# KiCad board gmsl-deserializer.kicad_pcb
title: GMSL Deserializer; date: 2025-10-09; rev: 1.0.4; company: Antmicro Ltd; note: www.antmicro.com
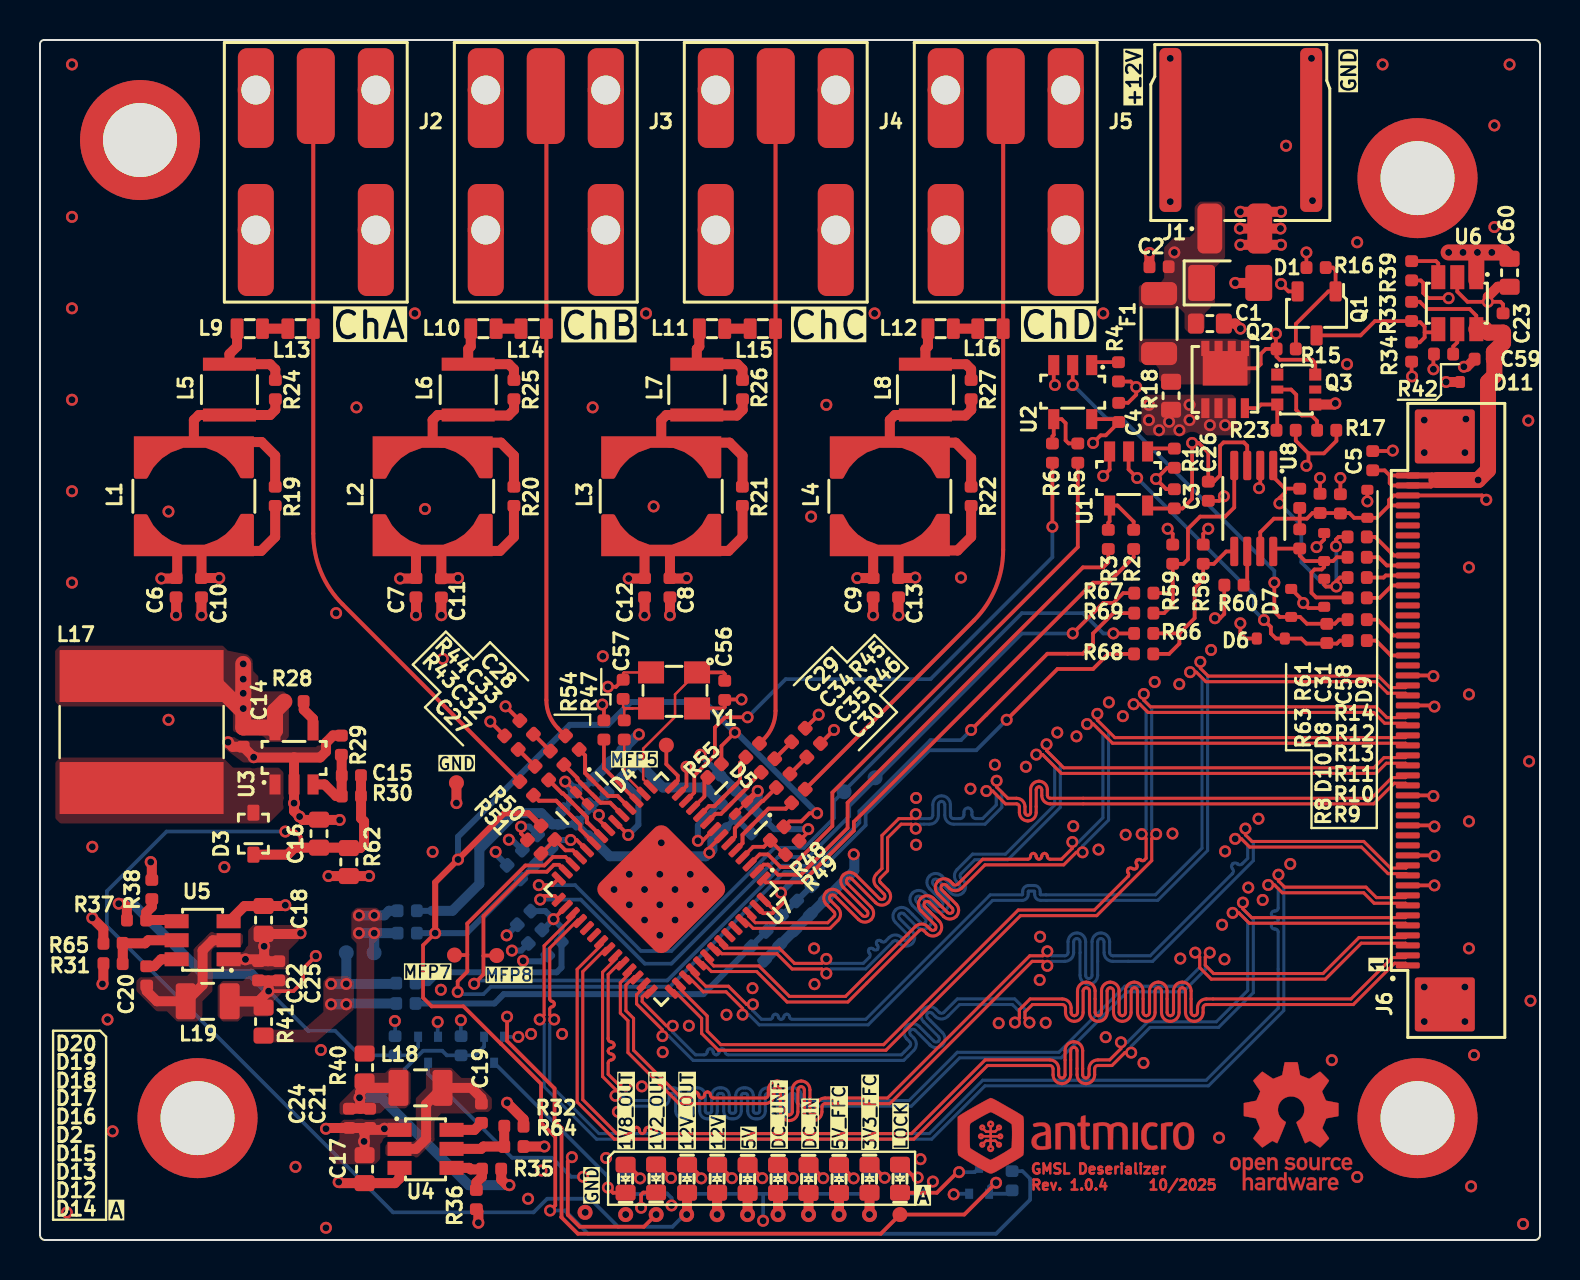
[diagram p0: board, top side]
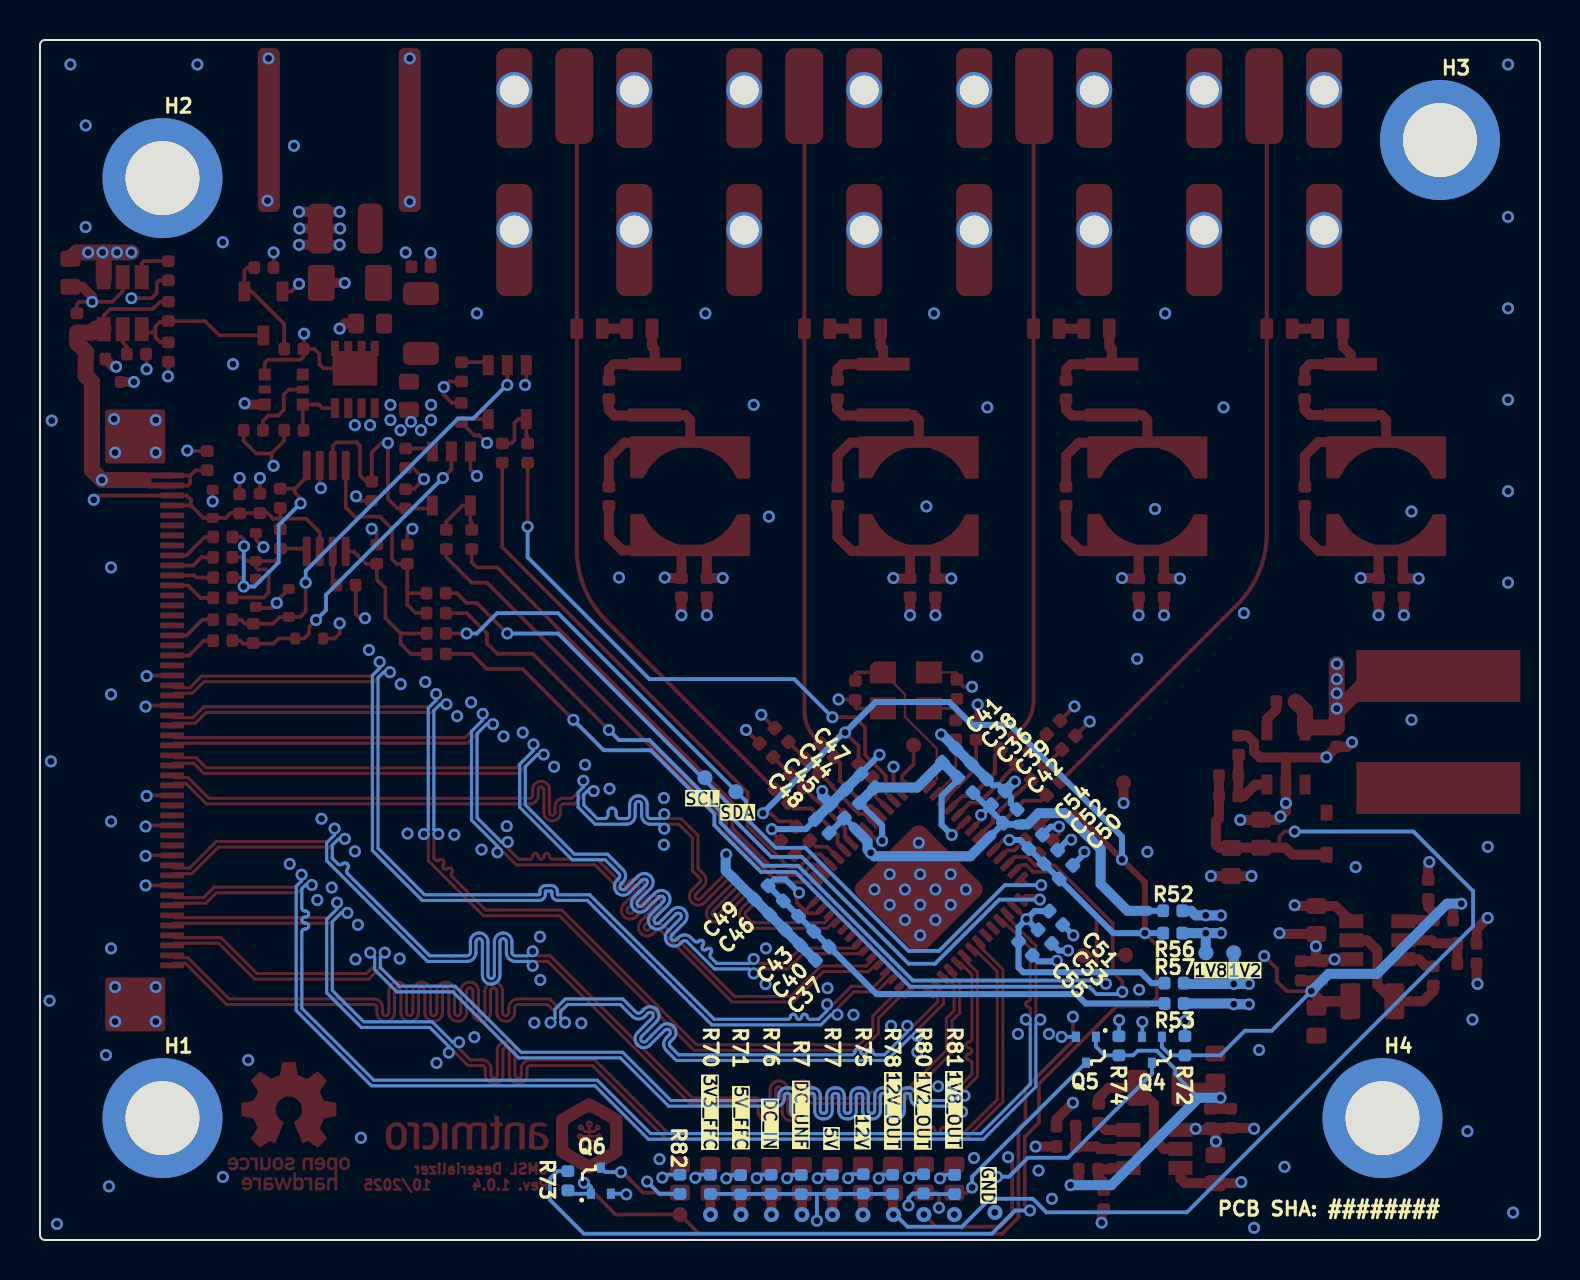
[diagram p1: board, bottom side, seen from below]

Outline 75 x 60 mm; copper layers: Top, In1.Cu (plane), In2.Cu (plane), Bottom. Coordinates in mm from the lower left corner of the outline.
Outline path: 0,59.8 arc(0.06,59.94) 0.2,60 74.75,60 arc(74.93,59.93) 75,59.75 75,0.25 arc(74.93,0.07) 74.75,0 0.25,0 arc(0.08,0.07) 0,0.25 0,59.8
Stack: Top 0.035mm / dielectric 0.12mm FR4 er 4.5 / In1.Cu 0.035mm / dielectric 1.2mm FR4 er 4.5 / In2.Cu 0.035mm / dielectric 0.12mm FR4 er 4.5 / Bottom 0.035mm

## Placement (name value [footprint] x y rotation side)
C1  C_10u_25V_0603  [C_0603_1608Metric]  58.49 45.82 180 top
C2  C_100n_0402  [C_0402_1005Metric]  55.95 48.66 0 top
C3  C_100n_0402  [C_0402_1005Metric]  56.72 37.06 270 top
C4  C_100n_0402  [C_0402_1005Metric]  53.94 41.38 270 top
C5  C_1u_0402  [C_0402_1005Metric]  66.64 38.96 270 top
C6  C_100n_0402  [C_0402_1005Metric]  6.81 32.61 90 top
C7  C_100n_0402  [C_0402_1005Metric]  18.8 32.61 90 top
C8  C_100n_0402  [C_0402_1005Metric]  31.5 32.61 90 top
C9  C_100n_0402  [C_0402_1005Metric]  41.66 32.61 90 top
C10  C_10n_0402  [C_0402_1005Metric]  8.08 32.61 90 top
C11  C_10n_0402  [C_0402_1005Metric]  20.07 32.61 90 top
C12  C_10n_0402  [C_0402_1005Metric]  30.23 32.61 90 top
C13  C_10n_0402  [C_0402_1005Metric]  42.93 32.61 90 top
C14  C_2u2_0402  [C_0402_1005Metric]  10.16 25.14 90 top
C15  C_220p_0402  [C_0402_1005Metric]  15.57 23.22 0 top
C16  C_10u_25V_0603  [C_0603_1608Metric]  13.95 20.32 270 top
C17  C_10u_25V_0603  [C_0603_1608Metric]  16.23 3.54 270 top
C18  C_10u_25V_0603  [C_0603_1608Metric]  11.18 16 90 top
C19  C_100n_0402  [C_0402_1005Metric]  22.07 6.34 90 top
C20  C_100n_0402  [C_0402_1005Metric]  5.34 13.21 270 top
C21  C_22u_0402  [C_0402_1005Metric]  16.48 6.08 90 top
C22  C_22u_0402  [C_0402_1005Metric]  10.92 13.46 270 top
C23  C_100n_0402  [C_0402_1005Metric]  73.15 45.85 270 top
C24  C_22u_0402  [C_0402_1005Metric]  15.47 6.08 90 top
C25  C_22u_0402  [C_0402_1005Metric]  11.94 13.46 270 top
C26  C_100n_0402  [C_0402_1005Metric]  58.41 37.44 90 top
C27  C_100n_0402  [C_0402_1005Metric]  24.33 22.58 135 top
C28  C_100n_0402  [C_0402_1005Metric]  26.62 24.87 135 top
C29  C_100n_0402  [C_0402_1005Metric]  35.63 24.49 45 top
C30  C_100n_0402  [C_0402_1005Metric]  37.92 22.2 45 top
C31  C_100n_0402  [C_0402_1005Metric]  64 36.83 270 top
C32  C_100n_0402  [C_0402_1005Metric]  25.09 23.34 135 top
C33  C_100n_0402  [C_0402_1005Metric]  25.86 24.11 135 top
C34  C_100n_0402  [C_0402_1005Metric]  36.4 23.72 45 top
C35  C_100n_0402  [C_0402_1005Metric]  37.16 22.96 45 top
C36  C_10u_0402  [C_0402_1005Metric]  28.01 22.71 315 bottom
C37  C_10u_0402  [C_0402_1005Metric]  35.89 14.33 135 bottom
C38  C_10u_0402  [C_0402_1005Metric]  28.78 23.47 315 bottom
C39  C_100n_0402  [C_0402_1005Metric]  27.09 22.11 315 bottom
C40  C_100n_0402  [C_0402_1005Metric]  36.65 15.09 135 bottom
C41  C_100n_0402  [C_0402_1005Metric]  29.54 24.23 315 bottom
C42  C_10n_0402  [C_0402_1005Metric]  26.49 21.18 315 bottom
C43  C_10n_0402  [C_0402_1005Metric]  37.41 15.85 135 bottom
C44  C_10u_0402  [C_0402_1005Metric]  34.36 22.2 225 bottom
C45  C_100n_0402  [C_0402_1005Metric]  35.13 21.44 225 bottom
C46  C_100n_0402  [C_0402_1005Metric]  38.17 16.61 135 bottom
C47  C_100n_0402  [C_0402_1005Metric]  33.6 22.96 225 bottom
C48  C_10n_0402  [C_0402_1005Metric]  35.89 20.69 225 bottom
C49  C_10n_0402  [C_0402_1005Metric]  38.94 17.37 135 bottom
C50  C_10n_0402  [C_0402_1005Metric]  23.7 18.39 315 bottom
C51  C_10n_0402  [C_0402_1005Metric]  24.2 16.1 45 bottom
C52  C_100n_0402  [C_0402_1005Metric]  24.46 19.15 315 bottom
C53  C_100n_0402  [C_0402_1005Metric]  24.76 15.17 45 bottom
C54  C_10u_0402  [C_0402_1005Metric]  25.22 19.91 315 bottom
C55  C_10u_0402  [C_0402_1005Metric]  25.73 14.58 45 bottom
C56  C_33p_0402  [C_0402_1005Metric]  34.24 27.48 90 top
C57  C_33p_0402  [C_0402_1005Metric]  29.16 27.53 270 top
C58  C_1u_0402  [C_0402_1005Metric]  65.02 36.81 270 top
C59  C_1u_0402  [C_0402_1005Metric]  72.21 44.04 0 top
C60  C_10u_25V_0603  [C_0603_1608Metric]  73.48 48.36 90 top
D1  SMF4L15A  [SOD-123FL]  59.51 47.85 0 top
D2  LED_G_0603_LTST-C190GKT  [LED_0603_1608Metric_G]  36.9 3.05 270 top
D3  PMEG3010CEJ,115  [D_SOD-323F]  10.67 20.32 90 top
D4  PESD4USB5U-TTS  [DFN-10_2.5x1mm]  27.1 22.09 315 top
D5  PESD4USB5U-TTS  [DFN-10_2.5x1mm]  35.05 21.61 225 top
D6  ESD5B5_0ST1G  [SOD-523_NP]  61.54 30.07 0 top
D7  ESD5B5_0ST1G  [SOD-523_NP]  62.56 31.85 270 top
D8  ESD5B5_0ST1G  [SOD-523_NP]  64.21 34.65 270 top
D9  ESD5B5_0ST1G  [SOD-523_NP]  66.37 36.81 270 top
D10  ESD5B5_0ST1G  [SOD-523_NP]  64.21 32.36 90 top
D11  ESD5B5_0ST1G  [SOD-523_NP]  71.7 42.9 0 top
D12  LED_G_0603_LTST-C190GKT  [LED_0603_1608Metric_G]  41.48 3.06 270 top
D13  LED_G_0603_LTST-C190GKT  [LED_0603_1608Metric_G]  39.95 3.05 270 top
D14  LED_G_0603_LTST-C190GKT  [LED_0603_1608Metric_G]  43 3.06 90 top
D15  LED_G_0603_LTST-C190GKT  [LED_0603_1608Metric_G]  38.43 3.05 270 top
D16  LED_G_0603_LTST-C190GKT  [LED_0603_1608Metric_G]  35.38 3.05 270 top
D17  LED_G_0603_LTST-C190GKT  [LED_0603_1608Metric_G]  33.86 3.06 270 top
D18  LED_G_0603_LTST-C190GKT  [LED_0603_1608Metric_G]  32.35 3.06 270 top
D19  LED_G_0603_LTST-C190GKT  [LED_0603_1608Metric_G]  30.8 3.07 90 top
D20  LED_G_0603_LTST-C190GKT  [LED_0603_1608Metric_G]  29.28 3.06 90 top
F1  F_4A_1206  [F_1206_3216Metric]  55.95 45.82 270 top
H1  -  [Spacer_Drill3.7mm_H6mm_9774060151R]  68.88 6.09 180 bottom
H2  -  [Spacer_Drill3.7mm_H6mm_9774060151R]  68.88 53.09 180 bottom
H3  -  [Spacer_Drill3.7mm_H6mm_9774060151R]  5 55 180 bottom
H4  -  [Spacer_Drill3.7mm_H6mm_9774060151R]  7.88 6.09 180 bottom
J1  Molex_Nano-Fit_1x2_SMD_1054301202  [Conn_Molex_Nano-Fit_1x2_SMD_1054301202]  60.02 55.47 180 top
J2  Conn_FAKRA_59S2AQ-40MT5-Z_1  [Conn_FAKRA_7-2287906-0]  13.79 60.81 0 top
J3  Conn_FAKRA_59S2AQ-40MT5-Z_1  [Conn_FAKRA_7-2287906-0]  25.29 60.81 0 top
J4  Conn_FAKRA_59S2AQ-40MT5-Z_1  [Conn_FAKRA_7-2287906-0]  36.79 60.81 0 top
J5  Conn_FAKRA_59S2AQ-40MT5-Z_1  [Conn_FAKRA_7-2287906-0]  48.29 60.81 0 top
J6  Conn_FFC_WE_68715014522  [Conn_FFC_WE_68715014x22]  70.54 25.98 90 top
L1  L_22u_1.12A_Coilcraft-MSS6132T  [L_Coilcraft-MSS6132T]  7.69 37.19 90 top
L2  L_22u_1.12A_Coilcraft-MSS6132T  [L_Coilcraft-MSS6132T]  19.63 37.19 90 top
L3  L_22u_1.12A_Coilcraft-MSS6132T  [L_Coilcraft-MSS6132T]  31.06 37.19 90 top
L4  L_22u_1.12A_Coilcraft-MSS6132T  [L_Coilcraft-MSS6132T]  42.49 37.19 90 top
L5  L_6u8_1A_Coilcraft-1210POC  [L_Coilcraft-1210POC]  9.47 42.52 90 top
L6  L_6u8_1A_Coilcraft-1210POC  [L_Coilcraft-1210POC]  21.41 42.52 90 top
L7  L_6u8_1A_Coilcraft-1210POC  [L_Coilcraft-1210POC]  32.84 42.52 90 top
L8  L_6u8_1A_Coilcraft-1210POC  [L_Coilcraft-1210POC]  44.27 42.52 90 top
L9  L_470n_1A_Coilcraft-PFL1609  [L_Coilcraft-PFL1609]  10.49 45.57 0 top
L10  L_470n_1A_Coilcraft-PFL1609  [L_Coilcraft-PFL1609]  22.17 45.57 0 top
L11  L_470n_1A_Coilcraft-PFL1609  [L_Coilcraft-PFL1609]  33.6 45.57 0 top
L12  L_470n_1A_Coilcraft-PFL1609  [L_Coilcraft-PFL1609]  45.03 45.57 0 top
L13  L_470n_1A_Coilcraft-PFL1609  [L_Coilcraft-PFL1609]  13.03 45.57 0 top
L14  L_470n_1A_Coilcraft-PFL1609  [L_Coilcraft-PFL1609]  24.68 45.57 0 top
L15  L_470n_1A_Coilcraft-PFL1609  [L_Coilcraft-PFL1609]  36.14 45.57 0 top
L16  L_470n_1A_Coilcraft-PFL1609  [L_Coilcraft-PFL1609]  47.52 45.57 0 top
L17  L_10u_3.1A_Bourns-SRN8040  [L_Bourns-SRN8040]  5.08 25.4 270 top
L18  L_1u_2.6A_0806  [L_0806_2016Metric]  19.02 7.61 180 top
L19  L_1u_2.6A_0806  [L_0806_2016Metric]  8.38 11.94 0 top
N1  oshw_logo  [oshw-logo]  62.56 5.69 0 top
N2  antmicro_logo  [antmicro-logo_scaled_12mm]  51.76 5.18 0 top
Q1  BSS138AKA  [SOT-23-3]  63.83 46.33 270 top
Q2  SQS401EN-T1_BE3  [Vishay_PowerPAK_1212-8_Single]  59.26 43.03 90 top
Q3  DZDH0401DW  [SOT-363]  62.81 42.52 0 top
Q4  DMG1012T-7  [SOT-523]  19.4 9.51 0 bottom
Q5  DMG1012T-7  [SOT-523]  22.7 9.51 0 bottom
Q6  DMG1012T-7  [SOT-523]  46.95 2.96 180 bottom
R1  R_10k_0402  [R_0402_1005Metric]  56.72 39.09 90 top
R2  R_0R_0402  [R_0402_1005Metric]  54.68 35.03 90 top
R3  R_0R_0402  [R_0402_1005Metric]  53.41 35.03 90 top
R4  R_10k_0402  [R_0402_1005Metric]  53.92 43.41 90 top
R5  R_0R_0402  [R_0402_1005Metric]  51.89 39.35 90 top
R6  R_0R_0402  [R_0402_1005Metric]  50.62 39.35 90 top
R7  R_470R_0402  [R_0402_1005Metric]  36.94 2.78 90 bottom
R8  R_200R_0402  [R_0402_1005Metric]  64.34 30.33 270 top  (not fitted)
R9  R_100R_0402  [R_0402_1005Metric]  65.86 29.97 0 top
R10  R_100R_0402  [R_0402_1005Metric]  65.86 31.02 0 top
R11  R_100R_0402  [R_0402_1005Metric]  65.86 32.11 0 top
R12  R_100R_0402  [R_0402_1005Metric]  65.86 34.14 0 top
R13  R_100R_0402  [R_0402_1005Metric]  65.86 33.12 0 top
R14  R_100R_0402  [R_0402_1005Metric]  65.86 35.15 0 top
R15  R_100R_0402  [R_0402_1005Metric]  62.31 44.55 180 top
R16  R_10k_0402  [R_0402_1005Metric]  63.8 48.62 0 top
R17  R_100k_0402  [R_0402_1005Metric]  64.34 40.49 180 top
R18  R_0R_22.4A_0603  [R_0603_1608Metric]  56.55 42.21 270 top  (not fitted)
R19  R_5k1_0402  [R_0402_1005Metric]  11.76 37.19 90 top
R20  R_5k1_0402  [R_0402_1005Metric]  23.7 37.19 90 top
R21  R_5k1_0402  [R_0402_1005Metric]  35.12 37.19 90 top
R22  R_5k1_0402  [R_0402_1005Metric]  46.56 37.19 90 top
R23  R_1M_0402  [R_0402_1005Metric]  62.3 40.49 180 top
R24  R_5k1_0402  [R_0402_1005Metric]  11.77 42.52 90 top
R25  R_5k1_0402  [R_0402_1005Metric]  23.7 42.52 90 top
R26  R_5k1_0402  [R_0402_1005Metric]  35.13 42.52 90 top
R27  R_5k1_0402  [R_0402_1005Metric]  46.56 42.52 90 top
R28  R_0R_0402  [R_0402_1005Metric]  12.7 26.92 180 top
R29  R_13k7_0402  [R_0402_1005Metric]  15.07 24.74 270 top
R30  R_120k_0402  [R_0402_1005Metric]  15.57 22.2 0 top
R31  R_10k_0402  [R_0402_1005Metric]  3.65 13.82 180 top
R32  R_10k_0402  [R_0402_1005Metric]  23.7 5.69 0 top
R33  R_10k_0402  [R_0402_1005Metric]  68.58 46.43 90 top
R34  R_10k_0402  [R_0402_1005Metric]  68.58 44.4 90 top  (not fitted)
R35  R_12k4_0402  [R_0402_1005Metric]  22.58 3.54 0 top
R36  R_10k_0402  [R_0402_1005Metric]  21.82 2.02 90 top
R37  R_4k99_0402  [R_0402_1005Metric]  4.83 16 180 top
R38  R_10k_0402  [R_0402_1005Metric]  5.59 17.52 270 top
R39  R_10k_0402  [R_0402_1005Metric]  68.58 48.46 270 top
R40  R_0R_22.4A_0603  [R_0603_1608Metric]  16.23 8.62 90 top
R41  R_0R_22.4A_0603  [R_0603_1608Metric]  11.18 10.92 270 top
R42  R_6k8_0402  [R_0402_1005Metric]  70.18 44.3 0 top
R43  R_49R9_0402  [R_0402_1005Metric]  23.57 24.87 135 top
R44  R_49R9_0402  [R_0402_1005Metric]  24.33 25.63 135 top
R45  R_49R9_0402  [R_0402_1005Metric]  37.92 25.25 45 top
R46  R_49R9_0402  [R_0402_1005Metric]  38.68 24.49 45 top
R47  R_0R_0402  [R_0402_1005Metric]  29.21 25.5 270 top
R48  R_80k6_0402  [R_0402_1005Metric]  36.85 20.32 45 top  (not fitted)
R49  R_10k_0402  [R_0402_1005Metric]  37.62 19.61 225 top
R50  R_80k6_0402  [R_0402_1005Metric]  25.39 20.36 135 top  (not fitted)
R51  R_10k_0402  [R_0402_1005Metric]  24.71 19.66 315 top
R52  R_0R_0402  [R_0402_1005Metric]  18.36 16.46 180 bottom
R53  R_0R_0402  [R_0402_1005Metric]  18.3 11.83 180 bottom
R54  R_402R_0402  [R_0402_1005Metric]  28.2 25.5 270 top
R55  R_10k_0402  [R_0402_1005Metric]  33.73 23.47 45 top
R56  R_0R_0402  [R_0402_1005Metric]  18.36 15.34 180 bottom
R57  R_0R_0402  [R_0402_1005Metric]  18.3 12.84 180 bottom
R58  R_2k2_0402  [R_0402_1005Metric]  58.16 34.29 90 top
R59  R_2k2_0402  [R_0402_1005Metric]  56.64 34.29 90 top
R60  R_10k_0402  [R_0402_1005Metric]  59.7 32.74 180 top
R61  R_2k2_0402  [R_0402_1005Metric]  62.99 37.09 270 top  (not fitted)
R62  R_0R_22.4A_0603  [R_0603_1608Metric]  15.44 18.9 270 top
R63  R_2k2_0402  [R_0402_1005Metric]  62.99 35.05 90 top  (not fitted)
R64  R_10k_0402  [R_0402_1005Metric]  23.7 4.67 180 top
R65  R_10k_0402  [R_0402_1005Metric]  3.65 14.83 0 top
R66  R_100R_0402  [R_0402_1005Metric]  55.19 30.33 0 top
R67  R_100R_0402  [R_0402_1005Metric]  55.19 32.34 0 top
R68  R_100R_0402  [R_0402_1005Metric]  55.18 29.31 0 top  (not fitted)
R69  R_100R_0402  [R_0402_1005Metric]  55.19 31.34 0 top  (not fitted)
R70  R_200R_0402  [R_0402_1005Metric]  41.48 2.79 90 bottom
R71  R_470R_0402  [R_0402_1005Metric]  39.97 2.77 90 bottom
R72  R_100k_0402  [R_0402_1005Metric]  17.75 9.71 270 bottom
R73  R_40k2_0402  [R_0402_1005Metric]  48.6 2.96 90 bottom
R74  R_100k_0402  [R_0402_1005Metric]  21.05 9.71 270 bottom
R75  R_1k65_0402  [R_0402_1005Metric]  33.84 2.81 90 bottom
R76  R_1k65_0402  [R_0402_1005Metric]  38.44 2.79 90 bottom
R77  R_470R_0402  [R_0402_1005Metric]  35.38 2.79 90 bottom
R78  R_1k65_0402  [R_0402_1005Metric]  32.37 2.79 90 bottom
R80  R_470R_0402  [R_0402_1005Metric]  30.83 2.81 270 bottom
R81  R_470R_0402  [R_0402_1005Metric]  29.27 2.78 270 bottom
R82  R_470R_0402  [R_0402_1005Metric]  43 2.79 270 bottom
TP1  TP_0.75mm_SMD  [TP_SMD_0.75mm]  43 1.27 0 top
TP2  TP_0.75mm_SMD  [TP_SMD_0.75mm]  31.32 24.74 0 top
TP3  TP_0.75mm_SMD  [TP_SMD_0.75mm]  20.73 14.25 0 top
TP4  TP_0.75mm_SMD  [TP_SMD_0.75mm]  22.83 14.22 0 top
TP5  TP_0.75mm_SMD  [TP_SMD_0.75mm]  20.82 22.86 0 top
TP6  TP_0.75mm_SMD  [TP_SMD_0.75mm]  36.9 1.27 0 top
TP7  TP_0.75mm_SMD  [TP_SMD_0.75mm]  39.95 1.27 0 top
TP8  TP_0.75mm_SMD  [TP_SMD_0.75mm]  41.48 1.27 0 top
TP9  TP_0.75mm_SMD  [TP_SMD_0.75mm]  38.43 1.27 0 top
TP10  TP_0.75mm_SMD  [TP_SMD_0.75mm]  33.86 1.27 0 top
TP11  TP_0.75mm_SMD  [TP_SMD_0.75mm]  35.38 1.27 0 top
TP12  TP_0.75mm_SMD  [TP_SMD_0.75mm]  32.33 1.27 0 top
TP13  TP_0.75mm_SMD  [TP_SMD_0.75mm]  29.28 1.27 0 top
TP14  TP_0.75mm_SMD  [TP_SMD_0.75mm]  30.81 1.27 0 top
TP15  TP_0.75mm_SMD  [TP_SMD_0.75mm]  27.25 1.38 0 top
TP16  TP_0.75mm_SMD  [TP_SMD_0.75mm]  30.81 1.27 180 bottom
TP17  TP_0.75mm_SMD  [TP_SMD_0.75mm]  29.28 1.27 180 bottom
TP18  TP_0.75mm_SMD  [TP_SMD_0.75mm]  32.33 1.27 180 bottom
TP19  TP_0.75mm_SMD  [TP_SMD_0.75mm]  35.38 1.27 180 bottom
TP20  TP_0.75mm_SMD  [TP_SMD_0.75mm]  33.85 1.26 180 bottom
TP21  TP_0.75mm_SMD  [TP_SMD_0.75mm]  38.43 1.27 180 bottom
TP22  TP_0.75mm_SMD  [TP_SMD_0.75mm]  36.9 1.27 180 bottom
TP23  TP_0.75mm_SMD  [TP_SMD_0.75mm]  39.95 1.27 180 bottom
TP24  TP_0.75mm_SMD  [TP_SMD_0.75mm]  41.48 1.27 180 bottom
TP24#2  TP_0.75mm_SMD  [TP_SMD_0.75mm]  40.2 22.41 180 bottom
TP25  TP_0.75mm_SMD  [TP_SMD_0.75mm]  41.75 23.11 180 bottom
TP26  TP_0.75mm_SMD  [TP_SMD_0.75mm]  27.25 1.38 180 bottom
TP27  TP_0.75mm_SMD  [TP_SMD_0.75mm]  15.31 14.36 180 bottom
TP28  TP_0.75mm_SMD  [TP_SMD_0.75mm]  16.7 14.36 180 bottom
U1  SN74LV1T125DBVR  [SOT-23-5]  54.43 38.08 270 top
U2  SN74LV1T125DBVR  [SOT-23-5]  51.64 42.39 270 top
U3  LMR62014XMF  [SOT-23-5]  12.7 24.13 90 top
U4  AP62301_TSOT  [TSOT23-6]  19.28 4.56 0 top
U5  AP62301_TSOT  [TSOT23-6]  8.13 14.98 180 top
U6  AP22615A_TSOT26  [TSOT23-6]  70.87 46.84 270 top
U7  MAX96724GTN_VY+  [QFN-56-1EP_8x8mm_P0.5mm_EP4.8x4.8mm]  31.06 17.54 225 top
U8  NTS0102_TSSOP  [TSSOP-8_3x3mm_P0.65mm]  60.7 36.58 270 top
Y1  Resonator_25MHz_ABM8G  [Resonator_SMD_Abracon_ABM8G_3.2x2.5mm]  31.75 27.43 180 top

## Library data of the parts
C1 C16-C18 C60 = -: Datasheet: https://product.tdk.com/en/search/capacitor/ceramic/mlcc/info?part_no=C1608X5R1E106M080AC; Description: SMD Multilayer Ceramic Capacitor, 10 µF, 25 V, 0603 [1608 Metric], ± 20%, X5R, C; Author: Antmicro; License: Apache-2.0; MPN: C1608X5R1E106M080AC; Manufacturer: TDK; Val: 10u; Voltage: 25V
C2-C4 C6-C9 C19 C20 C23 C26-C35 C39-C41 C45-C47 C52 C53 = -: Datasheet: https://www.murata.com/products/productdetail?partno=GRM155R61H104KE14%23; Description: SMD Multilayer Ceramic Capacitor, 0.1 µF, 50 V, 0402 [1005 Metric], ± 10%, X5R, GRM Series; Author: Antmicro; Dielectric: X5R; License: Apache-2.0; MPN: GRM155R61H104KE14D; Manufacturer: Murata; Val: 100n; Voltage: 50V
C5 C58 C59 = -: Datasheet: https://product.tdk.com/en/search/capacitor/ceramic/mlcc/info?part_no=C1005X6S1A105K050BC; Description: SMD Multilayer Ceramic Capacitor, 1 µF, 10 V, 0402 [1005 Metric], ± 10%, X6S, C; Author: Antmicro; License: Apache-2.0; MPN: C1005X6S1A105K050BC; Manufacturer: TDK; Val: 1u
C10-C13 C42 C43 C48-C51 = -: Datasheet: https://www.murata.com/products/productdetail?partno=GRM155R71H103KA88%23; Description: SMD Multilayer Ceramic Capacitor, 10000 pF, 50 V, 0402 [1005 Metric], ± 10%, X7R, GRM Series; Author: Antmicro; Dielectric: X7R; License: Apache-2.0; MPN: GRM155R71H103KA88D; Manufacturer: Murata; Val: 10n; Voltage: 50V
C14 = -: Datasheet: https://product.tdk.com/en/search/capacitor/ceramic/mlcc/info?part_no=C1005X5R1A225K050BC; Description: SMD Multilayer Ceramic Capacitor, 2.2 µF, 10 V, 0402 [1005 Metric], ± 10%, X5R, C; Author: Antmicro; License: Apache-2.0; MPN: C1005X5R1A225K050BC; Manufacturer: TDK; Val: 2u2
C15 = -: Datasheet: https://spicat.kyocera-avx.com/product/mlcc/chartview/04025C221JAT2A/; Description: SMD Multilayer Ceramic Capacitor, 220 pF, 50 V, 0402 [1005 Metric], ± 10%, X7R, MC; Author: Antmicro; License: Apache-2.0; MPN: 04025C221JAT2A; Manufacturer: KYOCERA AVX; Val: 220p
C21 C22 C24 C25 = -: Datasheet: https://www.murata.com/products/productdetail?partno=GRM158R60J226ME01%23; Description: SMD Multilayer Ceramic Capacitor, 22 uF, 4 V, 0402 [1005 Metric], X6S; Author: Antmicro; License: Apache-2.0; MPN: GRM158R60J226ME01D; Manufacturer: Murata; Val: 22u
C36-C38 C44 C54 C55 = -: Datasheet: https://www.yageo.com/en/Chart/Download/pdf/CC0402MRX5R5BB106; Description: SMD Multilayer Ceramic Capacitor, 10 µF, 6.3 V, 0402 [1005 Metric], ± 20%, X5R, CC Series; Author: Antmicro; License: Apache-2.0; MPN: CC0402MRX5R5BB106; Manufacturer: YAGEO; Val: 10u
C56 C57 = -: Datasheet: https://spicat.kyocera-avx.com/product/mlcc/chartview/04025A330FAT2A/; Description: SMD Multilayer Ceramic Capacitor, 33 pF, 50 V, 0402 [1005 Metric], ± 5%, C0G / NP0, MC; Author: Antmicro; License: Apache-2.0; MPN: 04025A330FAT2A; Manufacturer: KYOCERA AVX; Val: 33p
D1 = -: Datasheet: https://www.littelfuse.com/media?resourcetype=datasheets&itemid=d2ba8fab-1de3-4176-8530-f36ecb0b8799&filename=smf4l; Description: Unidirectional TVS, 30 kV,  SOD-123FL, 15 V, 600 pF; Author: Antmicro; License: Apache-2.0; Manufacturer: Littelfuse
D2 D12-D20 = -: Datasheet: https://media.digikey.com/pdf/Data%20Sheets/Lite-On%20PDFs/LTST-C190GKT.pdf; Description: LED, Green, SMD, 0603, 20 mA, 2.1 V, 569 nm; Author: Antmicro; Color: Green; License: Apache-2.0; MPN: LTST-C190GKT; Manufacturer: Lite-On; VSD_class: LED
D3 = -: Datasheet: https://assets.nexperia.com/documents/data-sheet/PMEG3010CEH_PMEG3010CEJ.pdf; Description: Schottky Rectifier, 30 V, 1 A, Single, SOD-323F, 2 Pins, 520 mV; Author: Antmicro; License: Apache-2.0; Manufacturer: Nexperia
D4 D5 = -: Datasheet: https://assets.nexperia.com/documents/data-sheet/PESD4USB5U-TTS.pdf; Description: TVS diode array, 15kV, DFN-10, 5 V, 0.5 pF; Author: Antmicro; License: Apache-2.0; Manufacturer: Nexperia
D6-D11 = -: Datasheet: https://www.onsemi.com/pdf/datasheet/esd5b5.0st1-d.pdf; Description: Bidirectional TVS, 30 kV,  SOD-523, 5 V, 32 pF; Author: Antmicro; License: Apache-2.0; MPN: ESD5B5.0ST1G; Manufacturer: ON Semiconductor
F1 = -: Datasheet: https://www.littelfuse.com/media?resourcetype=datasheets&itemid=dbe9bcd7-6072-4adf-bf5b-d33e52a6b90f&filename=littelfuse-fuse-466-datasheet; Description: Fuse, Surface Mount, 4 A, Very Fast Acting, 32 V, 32 V, 1206 (3216 Metric), 466; Author: Antmicro; License: Apache-2.0; MPN: 0466004.NR; Manufacturer: Littelfuse
H1-H4 = -: Datasheet: https://www.we-online.com/components/products/datasheet/9774060151R.pdf; Description: Spacer, SMT, Non Stop, Steel, Swage Round, 5.1 mm x 6 mm, M2.5 Thread, WA-SMSI Series; Author: Antmicro; License: Apache-2.0; MPN: 9774060151R; Manufacturer: Würth Elektronik
J1 = -: Datasheet: https://www.farnell.com/cad/3578051.pdf; Description: Pin Header, Pitch 2.5 mm, 1 Row, 2 Contacts, Nano-Fit; Author: Antmicro; License: Apache-2.0; MPN: 105430-1202; Manufacturer: Molex
J2-J5 = -: ki_fp_filters: *BNC* *SMA* *SMB* *SMC* *Cinch*
J6 = -: Datasheet: https://www.we-online.com/components/products/datasheet/68715014522.pdf; Description: FFC connector; Author: Antmicro; License: Apache-2.0; MPN: 68715014522; Manufacturer: Würth Elektronik; VSD_Class: Antmicro Dual Camera interface
L1-L4 = -: Datasheet: https://www.coilcraft.com/getmedia/d035c9b3-191d-46aa-ab3f-5c1a849157c1/mss6132t.pdf; Description: Power Inductor (SMT), 22 µH, 1.85 A, Shielded, 2.45 A, WE-MAPI; Author: Antmicro; IMax: 1.45A; ISat: 1.12A; License: Apache-2.0; MPN: MSS6132T-223; Manufacturer: Coilcraft; Size: 6.1x6.1; Val: 22u/1.12A
L5-L8 = -: Datasheet: https://www.coilcraft.com/getmedia/5e8de018-68c5-4442-84ce-d5212c44660c/1210poc.pdf; Description: Power Inductor (SMT), 6.8 µH, 9.2 A, Shielded, 12.8 A, XAL7070; Author: Antmicro; IMax: 1.36 A; ISat: 1 A; License: Apache-2.0; MPN: 1210POC-682; Manufacturer: Coilcraft; Size: 2.67x3.3; Val: 6u8/1A
L9-L16 = -: Datasheet: https://www.coilcraft.com/getmedia/2f4cd442-d64d-4413-a518-12fcfd03318d/pfl1609.pdf; Description: Power Inductor (SMT), 6.8 µH, 9.2 A, Shielded, 12.8 A, XAL7070; Author: Antmicro; IMax: 1 A; ISat: 0.99 A; License: Apache-2.0; MPN: PFL1609-471; Manufacturer: Coilcraft; Size: 1.07x1.8; Val: 470n/0.99A
L17 = -: Datasheet: https://www.bourns.com/pdfs/SRN8040.pdf; Description: Power Inductor (SMD), 10 µH, 3.1 A, Shielded, 3.4 A, SRN8040; Author: Antmicro; IMax: 3.1 A; ISat: 3.4 A; License: Apache-2.0; MPN: SRN8040-100M; Manufacturer: Bourns; Size: 8.0x8.0; Val: 10u/3.1A
L18 L19 = -: Datasheet: https://www.bourns.com/docs/Product-Datasheets/SRP2010.pdf; Description: Wirewound Inductor, 1 µH, 0.072 ohm, 2.6 A, SRP2010; Author: Antmicro; IMax: 2.6 A; ISat: 2.9 A; License: Apache-2.0; MPN: SRP2010-1R0M; Manufacturer: Bourns; Size: 2.0x1.6; Val: 1u/2.6A
N1 N2 = -: Description: Mechanical part; Author: Antmicro; License: Apache-2.0
Q1 = -: Datasheet: https://www.onsemi.com/pub/Collateral/BSS138-D.PDF; Description: Power MOSFET, N Channel, 50 V, 220 mA, 6.0 ohm, SOT-23, Surface Mount; Author: Antmicro; License: Apache-2.0; Manufacturer: ON Semiconductor